# Altium PCB board_layout.pcbdoc (part 2 of 4) (continued)
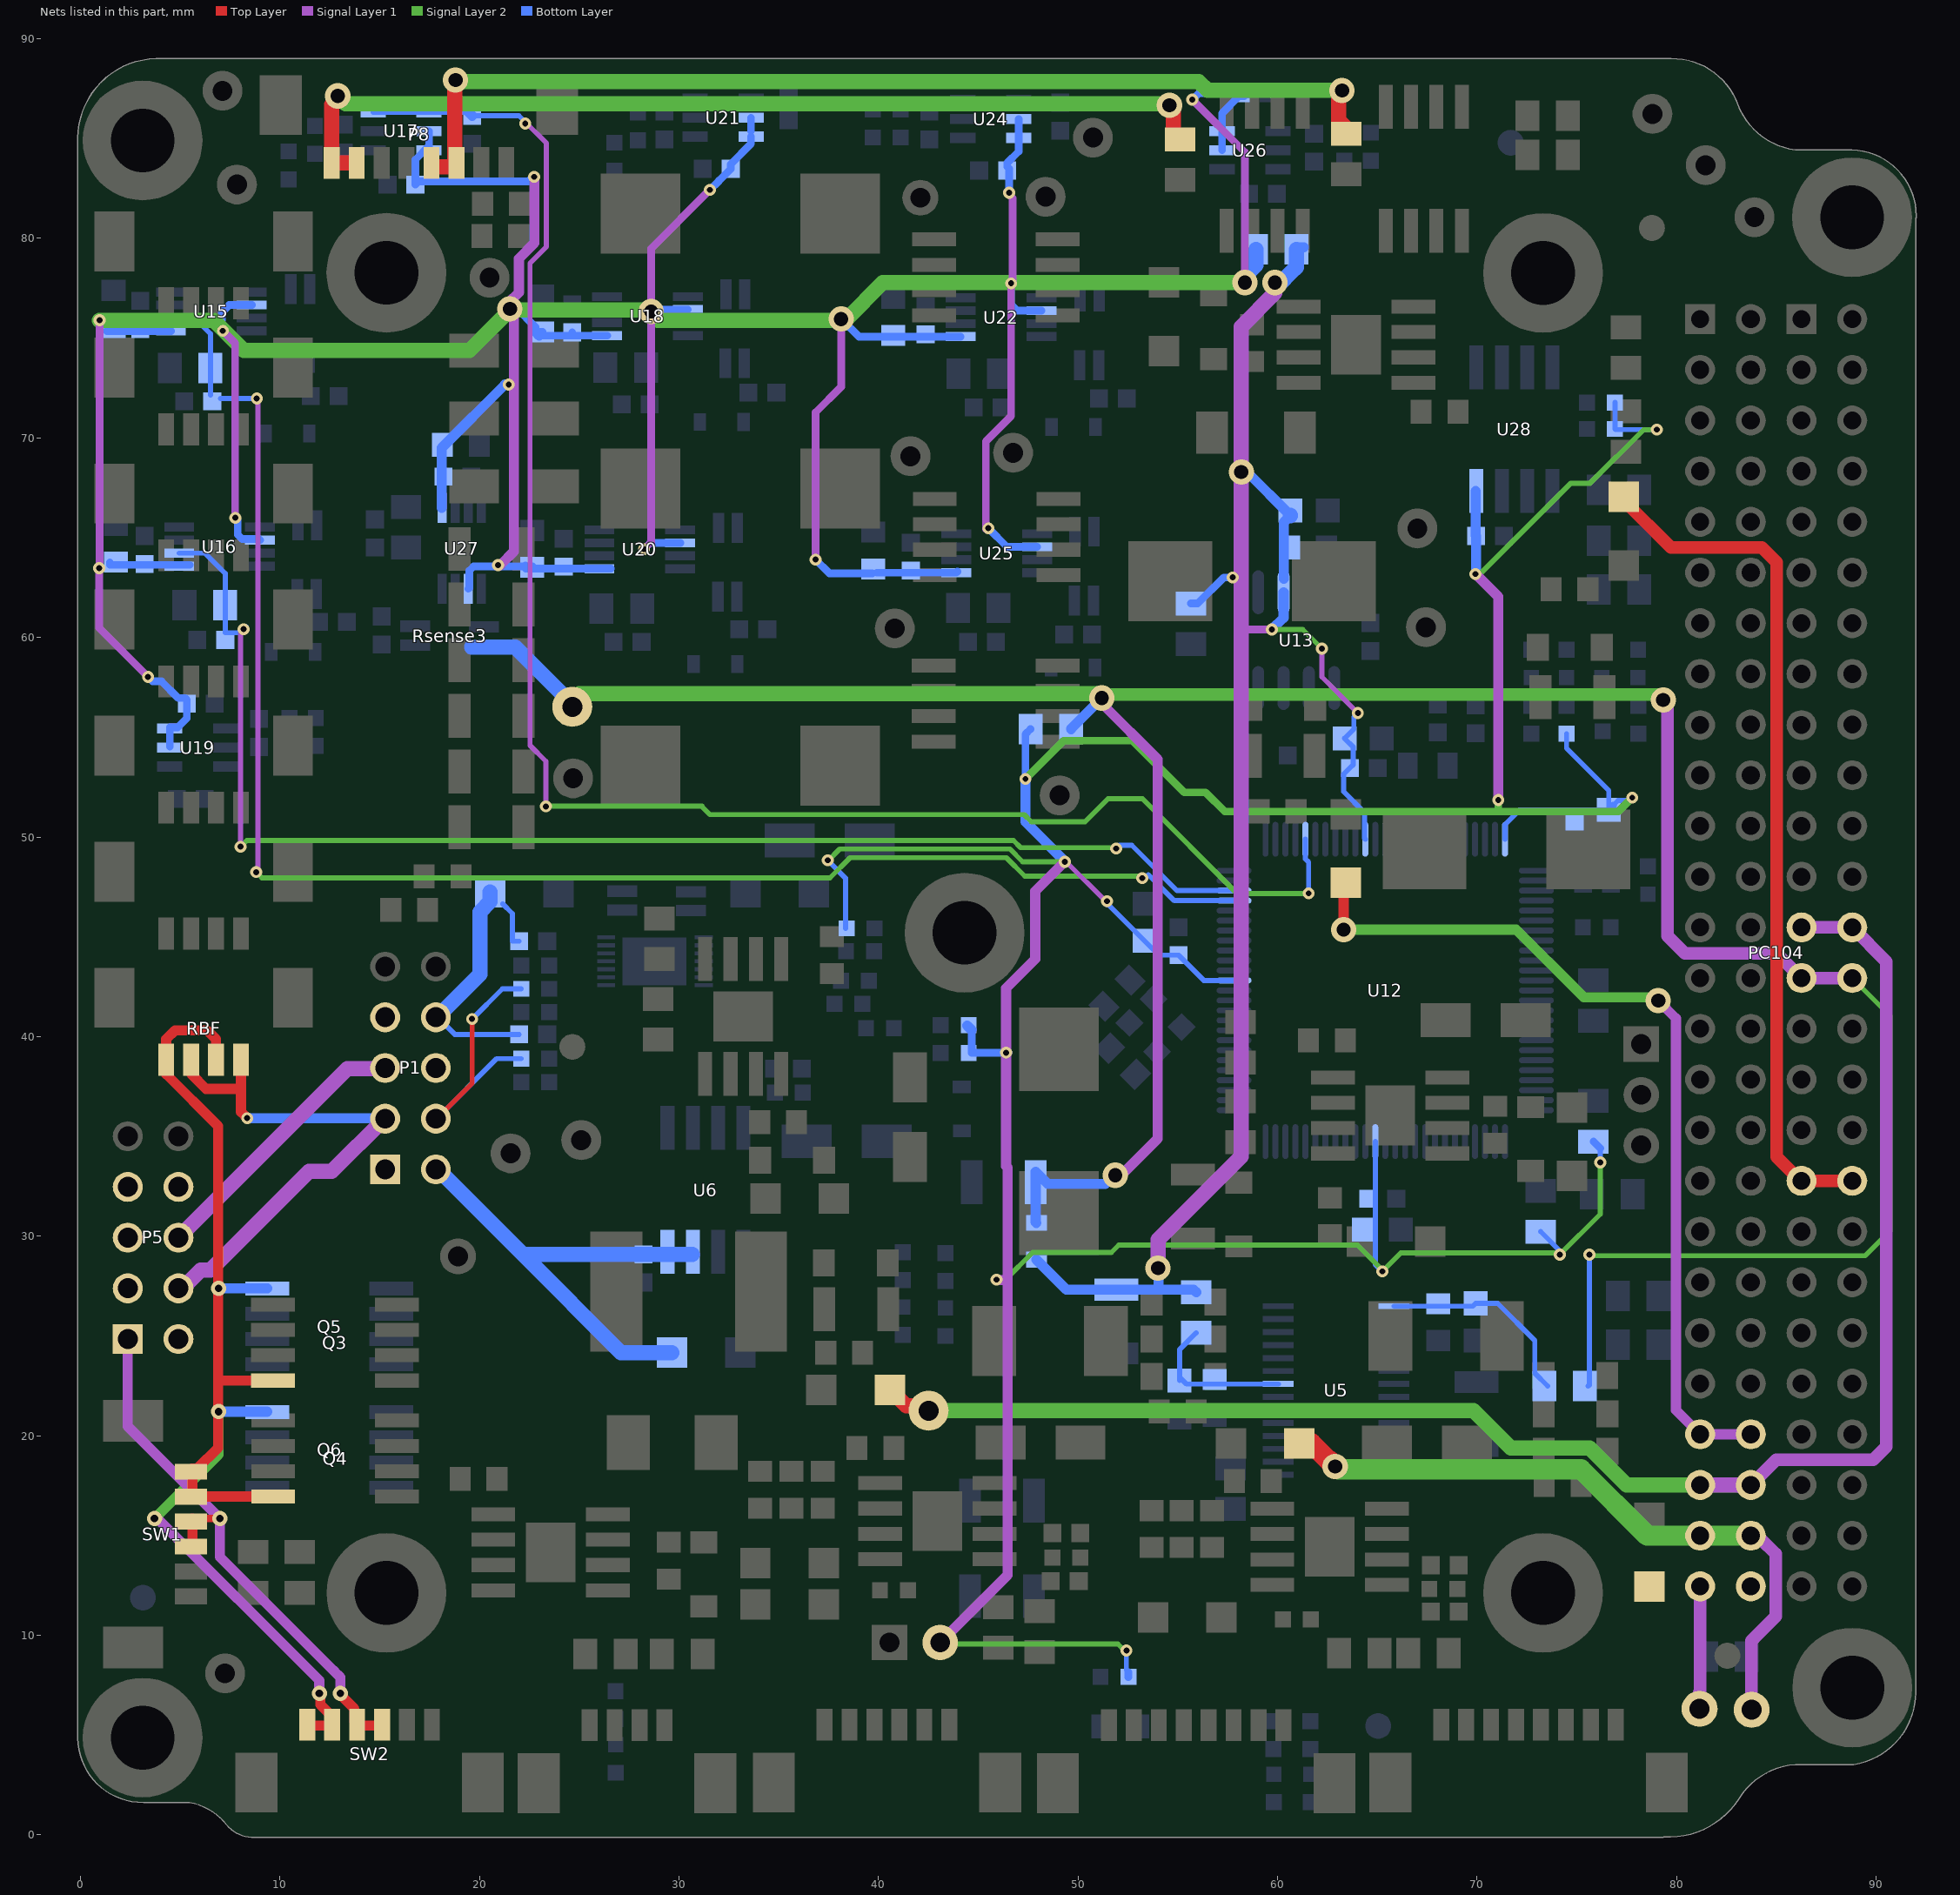
[diagram p4: the nets of this part, all layers, seen from the top]
## Part data (continued)
P3: "PicoBlade 4 Position Right Angle Connector Header Surface Mount  0.049\" (1.25mm)", Color=Natural, Contact Resistance=20mR, Current Rating=1A, Flammability Rating="UL94 V-0", Insulation Resistance=100MR, Manufacturer=Molex, Max Operating Temperature=85°C, Min Operating Temperature=-40°C, Package Quantity=1000, Supplier Part Number 1=538-53398-0471, Voltage Rating=125V, Body Plating=Tin, ComponentLink1Description=http://www.mouser.com/ds/2/276/0533980471_PCB_HEADERS-171069.pdf?src-supplier=Mouser, ComponentLink1URL=http://www.mouser.com/ds/2/276/0533980471_PCB_HEADERS-171069.pdf?src-supplier=Mouser, ComponentLink2Description=http://www.jameco.com/Jameco/Products/ProdDS/1932627.pdf?src-supplier=Jameco, ComponentLink2URL=http://www.jameco.com/Jameco/Products/ProdDS/1932627.pdf?src-supplier=Jameco, ComponentLink3Description=https://www.distrelec.biz/Web/Downloads/46/_e/gf116833-116846_e.pdf?mime=application%2Fpdf&src-supplier=Distrelec, ComponentLink3URL=https://www.distrelec.biz/Web/Downloads/46/_e/gf116833-116846_e.pdf?mime=application%2Fpdf&src-supplier=Distrelec, ComponentLink4Description=http://www.molex.com/webdocs/datasheets/pdf/en-us/0533980471_PCB_HEADERS.pdf?src-supplier=Element14, ComponentLink4URL=http://www.molex.com/webdocs/datasheets/pdf/en-us/0533980471_PCB_HEADERS.pdf?src-supplier=Element14, ComponentLink5Description=http://www.farnell.com/datasheets/1867381.pdf?src-supplier=Element14, ComponentLink5URL=http://www.farnell.com/datasheets/1867381.pdf?src-supplier=Element14, ComponentLink6Description=http://uk.rs-online.com/webdocs/13c4/0900766b813c4500.pdf?src-supplier=RSComponents, ComponentLink6URL=http://uk.rs-online.com/webdocs/13c4/0900766b813c4500.pdf?src-supplier=RSComponents, ComponentLink7Description=http://www.molex.com/webdocs/datasheets/pdf/en-us/0533980471_PCB_HEADERS.pdf?src-supplier=Farnell, ComponentLink7URL=http://www.molex.com/webdocs/datasheets/pdf/en-us/0533980471_PCB_HEADERS.pdf?src-supplier=Farnell, ComponentLink8Description=http://www.farnell.com/datasheets/2697809.pdf?src-supplier=Element14, ComponentLink8URL=http://www.farnell.com/datasheets/2697809.pdf?src-supplier=Element14, ComponentLink9Description=http://www.molex.com/webdocs/datasheets/pdf/en-us/0533980471_PCB_HEADERS.pdf?src-supplier=Avnet, ComponentLink9URL=http://www.molex.com/webdocs/datasheets/pdf/en-us/0533980471_PCB_HEADERS.pdf?src-supplier=Avnet, ComponentLink10Description=http://www.molex.com/webdocs/datasheets/pdf/en-us/0533980471_PCB_HEADERS.pdf?src-supplier=Avnet+Europe, ComponentLink10URL=http://www.molex.com/webdocs/datasheets/pdf/en-us/0533980471_PCB_HEADERS.pdf?src-supplier=Avnet+Europe, Contact Material=Bronze,Tin,Brass, Contact Plating=Tin, Gender=Male, Glow Wire Compliant=Non-compliant, Housing Color=Natural, Housing Material=Nylon, LatestRevisionDate=17-Jul-2002, LatestRevisionNote="Re-released for DXP Platform.", Lead Free="Lead Free", Lead Pitch=1.25mm, Manufacturer Part Number=0532610471, Mount="Surface Mount", Number of Circuits=4, Number of Contacts=4, Number of Positions=4, Number of Rows=1, Orientation=Vertical, Packaging="Tape and Reel", Partnumber=0532610471, Pitch=1.25mm, Pricing 1="1=0.98, 10=0.832, 100=0.716, 500=0.6, 1000=0.391, 2000=0.342 (USD)", Pricing 2="1=1.19, 10=1.044, 100=0.901, 500=0.73716 (USD)", Publisher="Altium Limited", Radiation Hardening=No, REACH SVHC=Unknown, Stock 1=43251, Stock 2=20817, Supplier 1=Mouser, Supplier 2=Digi-Key, Supplier Part Number 2=WM7608CT-ND, Termination=Solder, Voltage Rating (AC)=125V, Voltage Rating (DC)=125V, Working Voltage=125V
P8 RTD1 RTD2: "PicoBlade 8 Position Right Angle Connector Header Surface Mount 0.049\" (1.25mm)", Color=Beige, Contact Resistance=20mR, Current Rating=1A, Flammability Rating="UL94 V-0", Insulation Resistance=100MR, Manufacturer=Molex, Manufacturer Part Number=53261-0871, Max Operating Temperature=85°C, Min Operating Temperature=-40°C, Package Quantity=1000, Supplier Part Number 1=538-53261-0871, Voltage Rating=125V, ComponentLink1Description=http://uk.rs-online.com/webdocs/13c4/0900766b813c44c3.pdf?src-supplier=RSComponents, ComponentLink1URL=http://uk.rs-online.com/webdocs/13c4/0900766b813c44c3.pdf?src-supplier=RSComponents, ComponentLink2Description=http://www.farnell.com/datasheets/1632136.pdf?src-supplier=Element14, ComponentLink2URL=http://www.farnell.com/datasheets/1632136.pdf?src-supplier=Element14, ComponentLink3Description=http://www.farnell.com/datasheets/1862905.pdf?src-supplier=Element14, ComponentLink3URL=http://www.farnell.com/datasheets/1862905.pdf?src-supplier=Element14, ComponentLink4Description=http://www.onlinecomponents.com/productFiles/mf-MOL/0532610871_pcb_headers.pdf?src-supplier=Onlinecomponents.com, ComponentLink4URL=http://www.onlinecomponents.com/productFiles/mf-MOL/0532610871_pcb_headers.pdf?src-supplier=Onlinecomponents.com, ComponentLink5Description=http://www.jameco.com/Jameco/Products/ProdDS/1932580.pdf?src-supplier=Jameco, ComponentLink5URL=http://www.jameco.com/Jameco/Products/ProdDS/1932580.pdf?src-supplier=Jameco, ComponentLink6Description=https://www.distrelec.biz/Web/Downloads/74/_e/gh116861-116874_e.pdf?mime=application%2Fpdf&src-supplier=Distrelec, ComponentLink6URL=https://www.distrelec.biz/Web/Downloads/74/_e/gh116861-116874_e.pdf?mime=application%2Fpdf&src-supplier=Distrelec, ComponentLink7Description=http://www.mouser.com/ds/2/276/0532610871_PCB_HEADERS-171054.pdf?src-supplier=Mouser, ComponentLink7URL=http://www.mouser.com/ds/2/276/0532610871_PCB_HEADERS-171054.pdf?src-supplier=Mouser, ComponentLink8Description=http://www.molex.com/webdocs/datasheets/pdf/en-us/0532610871_PCB_HEADERS.pdf?src-supplier=Avnet+Europe, ComponentLink8URL=http://www.molex.com/webdocs/datasheets/pdf/en-us/0532610871_PCB_HEADERS.pdf?src-supplier=Avnet+Europe, ComponentLink9Description=http://www.farnell.com/datasheets/1841157.pdf?src-supplier=Farnell, ComponentLink9URL=http://www.farnell.com/datasheets/1841157.pdf?src-supplier=Farnell, ComponentLink10Description=http://www.molex.com/webdocs/datasheets/pdf/en-us/0532610871_PCB_HEADERS.pdf?src-supplier=Avnet, ComponentLink10URL=http://www.molex.com/webdocs/datasheets/pdf/en-us/0532610871_PCB_HEADERS.pdf?src-supplier=Avnet, Contact Material=Bronze,Brass,Tin, Contact Plating=Tin, Gender=Male, Glow Wire Compliant=Non-compliant, Housing Material=Thermoplastic, LatestRevisionDate=17-Jul-2002, LatestRevisionNote="Re-released for DXP Platform.", Lead Free="Lead Free", Lead Pitch=1.25mm, Mount="Surface Mount", Number of Circuits=8, Number of Contacts=8, Number of Positions=8, Number of Rows=1, Orientation="Right Angle", Packaging="Tape and Reel", Partnumber=53261-0871, Pitch=1.25mm, Pricing 1="1=1.31, 10=1.15, 100=0.991, 500=0.832, 1000=0.42, 2000=0.367 (USD)", Pricing 2="1=1.64, 10=1.487, 100=1.2749, 500=1.0624 (USD)", Publisher="Altium Limited", Radiation Hardening=No, REACH SVHC=Unknown, Stock 1=13055, Stock 2=24265, Supplier 1=Mouser, Supplier 2=Digi-Key, Supplier Part Number 2=WM7626CT-ND, Termination=Solder, Voltage Rating (AC)=125V, Voltage Rating (DC)=125V, Working Voltage=125V
PC104: Color=Black, Contact Resistance=10mR, Manufacturer=Samtec, Manufacturer Part Number=SSW-126-01-G-D, Max Current Rating=5.5A, Max Operating Temperature=125°C, Max Voltage Rating (AC)=550V, Min Operating Temperature=-55°C, Supplier Part Number 1=200-SSW12601GD, ComponentLink1Description=http://suddendocs.samtec.com/prints/ssw-1xx-xx-xxx-x-xx-xxx-xx-mkt.pdf?src-supplier=Digi-Key, ComponentLink1URL=http://suddendocs.samtec.com/prints/ssw-1xx-xx-xxx-x-xx-xxx-xx-mkt.pdf?src-supplier=Digi-Key, Connector Type=Receptacle,Socket, Contact Material=Bronze, Contact Plating=Gold, Depth=4.95mm, Gender=Receptacle, Housing Color=Black, Housing Material=Polymer, Lead Free="Lead Free", Length=66.55mm, Mating Cycles=100, Mount="Through Hole", Number of Contacts=52, Number of Positions=52, Number of Rows=2, Orientation=Straight, Packaging=Bulk, Partnumber=SSW-126-01-G-D, Pitch=2.54mm, Pricing 1="1=6.95, 10=5.8, 100=4.93, 250=4.4, 500=4.05, 1000=3.8 (USD)", Pricing 2="1=6.69, 10=6.415, 25=5.8576, 50=5.5786, 100=5.2996, 250=4.74176, 500=4.46284 (USD)", REACH SVHC="No SVHC", Row Spacing=0.1inch, Stock 1=86, Stock 2=0, Supplier 1=Mouser, Supplier 2=Digi-Key, Supplier Part Number 2=SAM1208-26-ND, Termination=Solder, Width=4.95mm
Q1 Q2 Q8 Q9 Q10: library part MOSFET-N_30V_SI4166DY, "MOSFET N-Channel 30V Vds 20V Vgs SO-8", Case/Package=SOIC, Continuous Drain Current (ID)=20.5A, Drain to Source Breakdown Voltage=30V, Drain to Source Resistance=4.5mR, Gate to Source Voltage (Vgs)=20V, Input Capacitance=2.73nF, Manufacturer="Vishay Siliconix", Manufacturer Part Number=SI4166DY-T1-GE3, Max Operating Temperature=150°C, Max Power Dissipation=6.5W, Min Operating Temperature=-55°C, On-State Resistance=3.9MR, Package Quantity=1, Power Dissipation=3W, Supplier Part Number 1=781-SI4166DY-T1-GE3, Threshold Voltage=1.2V, ComponentLink1Description=http://www.vishay.com/docs/68953/si4166dy.pdf?src-supplier=Digi-Key, ComponentLink1URL=http://www.vishay.com/docs/68953/si4166dy.pdf?src-supplier=Digi-Key, ComponentLink2Description=http://www.vishay.com/docs/68953/si4166dy.pdf?src-supplier=Future+Electronics, ComponentLink2URL=http://www.vishay.com/docs/68953/si4166dy.pdf?src-supplier=Future+Electronics, ComponentLink3Description=http://www.mouser.com/ds/2/427/si4166dy-244566.pdf?src-supplier=Mouser, ComponentLink3URL=http://www.mouser.com/ds/2/427/si4166dy-244566.pdf?src-supplier=Mouser, Contact Plating=Tin,Matte, Drain to Source Voltage (Vdss)=30V, Fall Time=15ns, Height=1.55mm, LatestRevisionDate=17-Jul-2002, LatestRevisionNote="Re-released for DXP Platform.", Lead Free="Lead Free", Length=5mm, Mount="Surface Mount", Number of Channels=1, Number of Elements=1, Number of Pins=8, PackageDescription="TO, Flat Index; 3 In-Line, Axial Leads; Body Dia. 4.6mm; Lead Dia. 0.5 mm (max)", PackageReference=E3, PackageVersion=1995/1996, Packaging="Tape and Reel", Partnumber=SI4166DY-T1-GE3, Pricing 1="1=1.43, 10=1.21, 100=0.952, 500=0.799, 1000=0.648, 2500=0.648 (USD)", Pricing 2="1=1.39, 10=1.239, 25=1.176, 100=0.882, 250=0.8736, 500=0.7476, 1000=0.609 (USD)", Published=8-Jun-2000, Publisher="Altium Limited", Radiation Hardening=No, Rds On Max=3.9mR, REACH SVHC=Unknown, Rise Time=19ns, Stock 1=3322, Stock 2=1522, Supplier 1=Mouser, Supplier 2=Digi-Key, Supplier Part Number 2=SI4166DY-T1-GE3CT-ND, Turn-Off Delay Time=35ns, Turn-On Delay Time=30ns, Weight=0.006596oz, Width=4mm
Q3 Q4 Q5 Q6: library part "MOSFET-P- SI4403CDY-T1-GE3", "MOSFET 1.8V P-Channel 20 V, 0.0155 ? typ., 13.4 A", Case/Package=SOIC, Continuous Drain Current (ID)=13.4A, Drain to Source Breakdown Voltage=20V, Drain to Source Resistance=15.5mR, Gate to Source Voltage (Vgs)=8V, Input Capacitance=2.38nF, Manufacturer="Vishay Siliconix", Manufacturer Part Number=SI4403CDY-T1-GE3, Max Operating Temperature=150°C, Max Power Dissipation=5W, Min Operating Temperature=-55°C, Package Quantity=2500, Power Dissipation=2.5W, Supplier Part Number 1=78-SI4403CDY-T1-GE3, Threshold Voltage=-400mV, ComponentLink1Description=http://www.vishay.com/docs/71385/lokreel.pdf?src-supplier=Digi-Key, ComponentLink1URL=http://www.vishay.com/docs/71385/lokreel.pdf?src-supplier=Digi-Key, ComponentLink2Description=http://www.vishay.com/docs/67341/si4403cd.pdf?src-supplier=Avnet, ComponentLink2URL=http://www.vishay.com/docs/67341/si4403cd.pdf?src-supplier=Avnet, ComponentLink3Description=http://www.vishay.com/docs/67341/si4403cd.pdf?src-supplier=Avnet+Europe, ComponentLink3URL=http://www.vishay.com/docs/67341/si4403cd.pdf?src-supplier=Avnet+Europe, ComponentLink4Description=http://www.farnell.com/datasheets/1915828.pdf?src-supplier=Element14, ComponentLink4URL=http://www.farnell.com/datasheets/1915828.pdf?src-supplier=Element14, Contact Plating=Tin,Matte, Drain to Source Voltage (Vdss)=20V, Fall Time=41ns, LatestRevisionDate=17-Jul-2002, LatestRevisionNote="Re-released for DXP Platform.", Lead Free="Lead Free", Mount="Surface Mount", Number of Channels=1, Number of Elements=1, Number of Pins=8, On-State Resistance=15.5mR, PackageDescription="TO, Flat Index; 3 In-Line, Axial Leads; Body Dia. 4.6mm; Lead Dia. 0.5 mm (max)", PackageReference=E3, PackageVersion=1995/1996, Packaging="Tape and Reel", Partnumber=SI4403CDY-T1-GE3, Pricing 1="1=0.68, 10=0.606, 100=0.472, 500=0.388, 1000=0.327, 2500=0.289 (USD)", Pricing 2="1=0.75, 10=0.66, 25=0.62, 100=0.45, 250=0.434, 500=0.376, 1000=0.32 (USD)", Published=8-Jun-2000, Publisher="Altium Limited", Radiation Hardening=No, Rds On Max=15.5mR, REACH SVHC="No SVHC", Rise Time=18ns, Stock 1=6738, Stock 2=1673, Supplier 1=Mouser, Supplier 2=Digi-Key, Supplier Part Number 2=SI4403CDY-T1-GE3CT-ND, Turn-Off Delay Time=108ns, Turn-On Delay Time=7ns, Weight=0.01787oz
R1 R8 R18 R23 R31 R34 R37 R39 R40 R43 R53 R58 R60 R61: library part R1.0k_1%_1/8W_0603, "RES 1.0K OHM 1/8W 1% 0603", Case Code (Imperial)=0603, Case Code (Metric)=1608, Manufacturer=Vishay, Manufacturer Part Number=MCT06030C1001FP500, Max Operating Temperature=125°C, Max Power Dissipation=125mW, Min Operating Temperature=-55°C, Package Quantity=1, Power Rating=100mW, Resistance=1kR, Supplier Part Number 1=594-MCT06030C1001FP5, Temperature Coefficient=50ppm/°C, Tolerance=1%, Voltage Rating=75V, Case/Package=0603, ComponentLink1Description=http://www.vishay.com/docs/28705/mcx0x0xpro.pdf?src-supplier=Digi-Key, ComponentLink1URL=http://www.vishay.com/docs/28705/mcx0x0xpro.pdf?src-supplier=Digi-Key, ComponentLink2Description=http://www.vishay.com/docs/28705/mc_pro.pdf?src-supplier=Avnet+Europe, ComponentLink2URL=http://www.vishay.com/docs/28705/mc_pro.pdf?src-supplier=Avnet+Europe, ComponentLink3Description=http://www.vishay.com/docs/28705/mc_pro.pdf?src-supplier=Avnet, ComponentLink3URL=http://www.vishay.com/docs/28705/mc_pro.pdf?src-supplier=Avnet, ComponentLink4Description=http://www.vishay.com/docs/28705/mc_pro.pdf?src-supplier=Future+Electronics, ComponentLink4URL=http://www.vishay.com/docs/28705/mc_pro.pdf?src-supplier=Future+Electronics, Composition="Thin Film", Contact Plating=Tin, Depth=0.85mm, Height=0.022inch, Lead Free="Lead Free", Length=1.55mm, Military Standard=Not, Mount="Surface Mount", NCM=8533.21.20, Number of Terminations=2, Packaging="Tape and Reel", Partnumber=MCT06030C1001FP500, Pricing 1="1=0.1, 1000=0.025, 2000=0.023, 5000=0.019, 10000=0.018, 20000=0.017 (USD)", Pricing 2="1=0.17, 10=0.145, 100=0.0568, 1000=0.02376, 2500=0.02178 (USD)", Radiation Hardening=No, REACH SVHC=Unknown, Stock 1=142157, Stock 2=268907, Supplier 1=Mouser, Supplier 2=Digi-Key, Supplier Part Number 2=MCT0603-1.00K-CFCT-ND, Termination=SMD/SMT, Voltage Rating (DC)=75V, Weight=7.1E-05oz, Width=0.033inch
R2 R3 R9 R10 R15 R16 R20 R21 R46 R47 R50 R51 R55 R56 R93: library part R0R_JUMPER_3/4W_1206, "RES 0.0 OHM 3/4W JUMP 1206", Case Code (Imperial)=1206, Case Code (Metric)=3216, Manufacturer="Stackpole Electronics", Manufacturer Part Number=HCJ1206ZT0R00, Max Operating Temperature=155°C, Min Operating Temperature=-55°C, Package Quantity=5000, Resistance=0mR, Supplier Part Number 1=HCJ1206ZT0R00CT-ND, Case/Package=1206, ComponentLink1Description=http://www.seielect.com/Catalog/SEI-HCJ.pdf?src-supplier=Avnet, ComponentLink1URL=http://www.seielect.com/Catalog/SEI-HCJ.pdf?src-supplier=Avnet, ComponentLink2Description=https://www.seielect.com/Catalog/SEI-HCJ.pdf?src-supplier=Avnet+Asia, ComponentLink2URL=https://www.seielect.com/Catalog/SEI-HCJ.pdf?src-supplier=Avnet+Asia, ComponentLink3Description=https://www.seielect.com/catalog/SEI-HCJ.pdf?src-supplier=Digi-Key, ComponentLink3URL=https://www.seielect.com/catalog/SEI-HCJ.pdf?src-supplier=Digi-Key, ComponentLink4Description=https://www.seielect.com/catalog/SEI-Packaging.pdf?src-supplier=Digi-Key, ComponentLink4URL=https://www.seielect.com/catalog/SEI-Packaging.pdf?src-supplier=Digi-Key, Features="Automotive AEC-Q200", Fitted="No (jumper resistor)", Height=0.026inch, Length=0.122inch, Mount="Surface Mount", Number of Terminations=2, Packaging="Tape and Reel", Partnumber=HCJ1206ZT0R00, Pricing 1="1=0.5, 10=0.358, 25=0.2788, 50=0.236, 100=0.1859, 250=0.15732, 500=0.1287, 1000=0.1001 (USD)", Radiation Hardening=No, Stock 1=1958428, Supplier 1=Digi-Key, Termination=Wraparound, Width=0.061inch
R4: library part R75k_1%_1/8W_0805_1, "RES 75k OHM 1/8W 1% 0805", Case/Package=0805, Case Code (Metric)=2012, Manufacturer=Panasonic, Manufacturer Part Number=RMCF0805FT75K0, Max Operating Temperature=155°C, Max Power Dissipation=125mW, Min Operating Temperature=-55°C, Package Quantity=1, Resistance=75kR, Temperature Coefficient=100ppm/°C, Tolerance=1%, Voltage Rating=150V, Case Code (Imperial)=0805, ComponentLink1Description=Digikey, ComponentLink1URL=https://www.digikey.com/product-detail/en/stackpole-electronics-inc/RMCF0805FT75K0/RMCF0805FT75K0CT-ND/1942483, Composition="Thick Film", Contact Plating=Tin, Depth=1.25mm, Features="Automotive AEC-Q200", Height=0.028inch, Height - Seated (Max)=0.028inch, Lead Free="Lead Free", Length=2mm, Military Standard=Not, Mount="Surface Mount", NCM=8533.21.20, Number of Terminations=2, Packaging="Tape and Reel", Partnumber=RMCF0805FT75K0, Power Rating=125mW, Pricing 1="1=0.1, 10=0.072, 100=0.028, 1000=0.02, 5000=0.018, 10000=0.016 (USD)", Pricing 2="1=0.1, 10=0.072, 100=0.0275, 1000=0.0121, 2500=0.01045 (USD)", Radiation Hardening=No, REACH SVHC="No SVHC", Stock 1=48520, Stock 2=93748, Supplier 2=Digi-Key, Supplier Part Number 2=RMCF0805FT75K0CT-ND, Termination=SMD/SMT, Voltage Rating (DC)=150V, Width=0.049inch
R5 R12: library part R19.6k_1%_1/10W_0603, "RES 19.6k OHM 1/10W 1% 0603", Case Code (Imperial)=0603, Case Code (Metric)=1608, Case/Package=Molded, Manufacturer=Panasonic, Manufacturer Part Number=ERJ-3EKF1962V, Max Operating Temperature=155°C, Min Operating Temperature=-55°C, Power Rating=100mW, Resistance=19.6kR, Supplier Part Number 1=667-ERJ-3EKF1962V, Temperature Coefficient=100ppm/°C, Tolerance=1%, Voltage Rating=75V, Voltage Rating (DC)=50V, ComponentLink1Description=http://www.farnell.com/datasheets/1911175.pdf?src-supplier=Farnell, ComponentLink1URL=http://www.farnell.com/datasheets/1911175.pdf?src-supplier=Farnell, Composition="Thick Film", Contact Plating=Tin, Depth=0.8mm, Lead Free="Lead Free", Length=1.6mm, Military Standard=Not, Mount="Surface Mount", NCM=8533.21.20, Packaging="Cut Tape", Partnumber=ERJ-3EKF1962V, Pricing 1="1=0.1, 10=0.057, 100=0.023, 1000=0.009, 5000=0.006, 10000=0.005 (USD)", Pricing 2="1=0.1, 10=0.057, 100=0.0234, 1000=0.01049, 2500=0.00911 (USD)", REACH SVHC="No SVHC", Stock 1=90673, Stock 2=62362, Supplier 1=Mouser, Supplier 2=Digi-Key, Supplier Part Number 2=P19.6KHCT-ND, Width=800um
R6 R13: library part R11.5k_1%_1/8W_0805, "RES 11.5k OHM 1/8W 1% 0805", Case/Package=0805, Manufacturer=Yageo, Manufacturer Part Number=AC0805FR-0711K5L, Resistance=11.5kR, Supplier Part Number 1=603-AC0805FR-0711K5L, Tolerance=1%, NCM=8533.21.20, Partnumber=AC0805FR-0711K5L, Pricing 1="1=0.16, 10=0.037, 100=0.013, 1000=0.01, 5000=0.006, 10000=0.006 (USD)", Stock 1=26753, Supplier 1=Mouser
R7 R14: library part R140k_1%_1/5W_0603, "RES 140k OHM 1/5W 1% 0603", Case Code (Imperial)=0603, Case Code (Metric)=1608, Manufacturer=Panasonic, Manufacturer Part Number=ERJ-P03F1403V, Max Operating Temperature=155°C, Min Operating Temperature=-55°C, Package Quantity=5000, Power Rating=200mW, Resistance=140kR, Supplier Part Number 1=667-ERJ-P03F1403V, Temperature Coefficient=200ppm/°C, Tolerance=1%, Voltage Rating=150V, Case/Package=0603, ComponentLink1Description=http://www.farnell.com/datasheets/2059624.pdf?src-supplier=Farnell, ComponentLink1URL=http://www.farnell.com/datasheets/2059624.pdf?src-supplier=Farnell, ComponentLink2Description=http://www.farnell.com/datasheets/1801181.pdf?src-supplier=Element14, ComponentLink2URL=http://www.farnell.com/datasheets/1801181.pdf?src-supplier=Element14, ComponentLink3Description=https://www.distrelec.biz/Web/Downloads/_t/ds/ERJP-series_eng_tds.pdf?mime=application%2Fpdf&src-supplier=Distrelec, ComponentLink3URL=https://www.distrelec.biz/Web/Downloads/_t/ds/ERJP-series_eng_tds.pdf?mime=application%2Fpdf&src-supplier=Distrelec, Composition="Thick Film", Height=0.45mm, Length=1.6mm, Mount="Surface Mount", NCM=8533.21.20, Packaging="Tape and Reel", Partnumber=ERJ-P03F1403V, Pricing 1="1=0.58, 10=0.231, 100=0.098, 1000=0.071, 5000=0.04, 10000=0.04 (USD)", Pricing 2="5000=0.03863 (USD)", REACH SVHC="No SVHC", Stock 1=4562, Stock 2=0, Supplier 1=Mouser, Supplier 2=Digi-Key, Supplier Part Number 2=ERJ-P03F1403V-ND, Termination=SMD/SMT, Voltage Rating (DC)=150V, Weight=7.1E-05oz, Width=0.8mm
R11: library part R60.4k_1%_1/8W_0805, "RES 60.4k OHM 1/8W 1% 0805", Case Code (Imperial)=0805, Case Code (Metric)=2012, Manufacturer=Panasonic, Manufacturer Part Number=ERJ-6ENF6042V, Max Operating Temperature=155°C, Max Power Dissipation=125mW, Min Operating Temperature=-55°C, Package Quantity=1, Resistance=60.4kR, Supplier Part Number 1=667-ERJ-6ENF6042V, Temperature Coefficient=100ppm/°C, Tolerance=1%, Voltage Rating=150V, Case/Package=0805, ComponentLink1Description=http://www.farnell.com/datasheets/426256.pdf?src-supplier=Farnell, ComponentLink1URL=http://www.farnell.com/datasheets/426256.pdf?src-supplier=Farnell, ComponentLink2Description=http://www.farnell.com/datasheets/426256.pdf?src-supplier=Element14, ComponentLink2URL=http://www.farnell.com/datasheets/426256.pdf?src-supplier=Element14, ComponentLink3Description=http://www.farnell.com/datasheets/1678782.pdf?src-supplier=Element14, ComponentLink3URL=http://www.farnell.com/datasheets/1678782.pdf?src-supplier=Element14, ComponentLink4Description=http://industrial.panasonic.com/www-data/pdf/AOA0000/AOA0000CE2.pdf?src-supplier=Avnet, ComponentLink4URL=http://industrial.panasonic.com/www-data/pdf/AOA0000/AOA0000CE2.pdf?src-supplier=Avnet, ComponentLink5Description=https://www.alliedelec.com/m/d/623f45ff1957d936ff56d46fd1c28cac.pdf?src-supplier=Allied+Electronics, ComponentLink5URL=https://www.alliedelec.com/m/d/623f45ff1957d936ff56d46fd1c28cac.pdf?src-supplier=Allied+Electronics, Composition="Thick Film", Contact Plating=Tin, Depth=1.25mm, Features="Automotive AEC-Q200", Height=0.028inch, Height - Seated (Max)=0.028inch, Lead Free="Lead Free", Length=2mm, Military Standard=Not, Mount="Surface Mount", NCM=8533.21.20, Number of Terminations=2, Packaging="Tape and Reel", Partnumber=ERJ-6ENF6042V, Power Rating=125mW, Pricing 1="1=0.1, 10=0.072, 100=0.028, 1000=0.02, 5000=0.018, 10000=0.016 (USD)", Pricing 2="1=0.1, 10=0.072, 100=0.0275, 1000=0.0121, 2500=0.01045 (USD)", Radiation Hardening=No, REACH SVHC="No SVHC", Stock 1=48520, Stock 2=93748, Supplier 1=Mouser, Supplier 2=Digi-Key, Supplier Part Number 2=P60.4KCCT-ND, Termination=SMD/SMT, Voltage Rating (DC)=150V, Width=0.049inch
R17 R22 R52 R57: library part R10k_1%_1/8W_0805, "RES 10K OHM 1/8W 1%  0805", Case Code (Imperial)=0805, Case Code (Metric)=2012, Manufacturer=Vishay, Manufacturer Part Number=CRCW080510K0FKEA, Max Operating Temperature=155°C, Min Operating Temperature=-55°C, Package Quantity=5000, Power Rating=125mW, Resistance=10kR, Supplier Part Number 1=71-CRCW0805-10K-E3, Temperature Coefficient=100ppm/°C, Tolerance=1%, Voltage Rating=150V, Case/Package=0805, ComponentLink1Description=http://www.mouser.com/ds/2/427/dcrcwe3-109170.pdf?src-supplier=Mouser, ComponentLink1URL=http://www.mouser.com/ds/2/427/dcrcwe3-109170.pdf?src-supplier=Mouser, ComponentLink2Description=http://uk.rs-online.com/webdocs/0d98/0900766b80d98b26.pdf?src-supplier=RSComponents, ComponentLink2URL=http://uk.rs-online.com/webdocs/0d98/0900766b80d98b26.pdf?src-supplier=RSComponents, ComponentLink3Description=http://www.alliedelec.com/m/d/0c934d6939ccefa68dbe0b96d821c8cf.pdf?src-supplier=Allied+Electronics, ComponentLink3URL=http://www.alliedelec.com/m/d/0c934d6939ccefa68dbe0b96d821c8cf.pdf?src-supplier=Allied+Electronics, ComponentLink4Description=http://www.vishay.com/docs/20035/dcrcwe3.pdf?src-supplier=Avnet+Asia, ComponentLink4URL=http://www.vishay.com/docs/20035/dcrcwe3.pdf?src-supplier=Avnet+Asia, ComponentLink5Description=http://www.vishay.com/docs/20035/dcrcwe3.pdf?src-supplier=Avnet+Europe, ComponentLink5URL=http://www.vishay.com/docs/20035/dcrcwe3.pdf?src-supplier=Avnet+Europe, ComponentLink6Description=http://www.farnell.com/datasheets/2310790.pdf?src-supplier=Element14, ComponentLink6URL=http://www.farnell.com/datasheets/2310790.pdf?src-supplier=Element14, ComponentLink7Description=http://www.vishay.com/docs/20035/dcrcwe3.pdf?src-supplier=Avnet, ComponentLink7URL=http://www.vishay.com/docs/20035/dcrcwe3.pdf?src-supplier=Avnet, ComponentLink8Description=http://www.vishay.com/docs/20035/dcrcwe3.pdf?src-supplier=Future+Electronics, ComponentLink8URL=http://www.vishay.com/docs/20035/dcrcwe3.pdf?src-supplier=Future+Electronics, Composition="Thick Film", Contact Plating=Tin, Depth=1.25mm, Height=0.45mm, Lead Free="Lead Free", Length=2mm, Military Standard=Not, NCM=8533.21.20, Packaging="Tape and Reel", Partnumber=CRCW080510K0FKEA, Pricing 1="1=0.1, 10=0.062, 100=0.025, 1000=0.01, 5000=0.007, 10000=0.006 (USD)", Pricing 2="1=0.1, 10=0.062, 100=0.0254, 1000=0.01142, 2500=0.00991 (USD)", Radiation Hardening=No, REACH SVHC=Unknown, Stock 1=1328419, Stock 2=975000, Supplier 1=Mouser, Supplier 2=Digi-Key, Supplier Part Number 2=541-10.0KCDKR-ND, Termination=SMD/SMT, Voltage Rating (DC)=150V, Weight=0.000194oz, Width=1.25mm
R19 R24 R54: library part R5.9K_1%_1/8W_0805, "RES 5K9 OHM 1/8W 1% 0805", Case Code (Imperial)=0805, Case Code (Metric)=2012, Manufacturer=Vishay, Manufacturer Part Number=CRCW08055K90FKEA, Max Operating Temperature=155°C, Max Power Dissipation=125mW, Min Operating Temperature=-55°C, Package Quantity=10, Partnumber=71-CRCW0805-5.9K-E3, Resistance=5.9kR, Temperature Coefficient=100ppm/°C, Tolerance=1%, Voltage Rating=150V, Case/Package=0805, ComponentLink1Description=http://www.mouser.com/ds/2/427/dcrcwe3-109170.pdf?src-supplier=Mouser, ComponentLink1URL=http://www.mouser.com/ds/2/427/dcrcwe3-109170.pdf?src-supplier=Mouser, ComponentLink2Description=http://uk.rs-online.com/webdocs/0d98/0900766b80d98b26.pdf?src-supplier=RSComponents, ComponentLink2URL=http://uk.rs-online.com/webdocs/0d98/0900766b80d98b26.pdf?src-supplier=RSComponents, ComponentLink3Description=http://www.farnell.com/datasheets/2310790.pdf?src-supplier=Element14, ComponentLink3URL=http://www.farnell.com/datasheets/2310790.pdf?src-supplier=Element14, ComponentLink4Description=http://www.vishay.com/docs/20035/dcrcwe3.pdf?src-supplier=Digi-Key, ComponentLink4URL=http://www.vishay.com/docs/20035/dcrcwe3.pdf?src-supplier=Digi-Key, ComponentLink5Description=http://www.vishay.com/docs/20035/dcrcwe3.pdf?src-supplier=Avnet, ComponentLink5URL=http://www.vishay.com/docs/20035/dcrcwe3.pdf?src-supplier=Avnet, ComponentLink6Description=http://www.vishay.com/docs/20035/dcrcwe3.pdf?src-supplier=Avnet+Europe, ComponentLink6URL=http://www.vishay.com/docs/20035/dcrcwe3.pdf?src-supplier=Avnet+Europe, ComponentLink7Description=http://www.farnell.com/datasheets/1697337.pdf?src-supplier=Element14, ComponentLink7URL=http://www.farnell.com/datasheets/1697337.pdf?src-supplier=Element14, Composition="Thick Film", Contact Plating=Tin, Depth=1.25mm, Features="Automotive AEC-Q200", Height=0.45mm, Length=2mm, Military Standard=Not, NCM=8533.21.20, Number of Pins=2, Number of Terminations=2, Packaging="Tape and Reel", Power Rating=125mW, Pricing 1="1=0.1, 10=0.062, 100=0.025, 1000=0.01, 5000=0.007, 10000=0.006 (USD)", Pricing 2="1=0.1, 10=0.062, 100=0.0254, 1000=0.01142, 2500=0.00991 (USD)", Radiation Hardening=No, REACH SVHC=Unknown, Stock 1=29325, Stock 2=19246, Supplier 1=Mouser, Supplier 2=Digi-Key, Supplier Part Number 1=71-CRCW0805-5.9K-E3, Supplier Part Number 2=541-5.90KCCT-ND, Termination=SMD/SMT, Weight=0.000194oz, Width=1.25mm, Working Voltage=150V
R25 R26: library part R1.0k_1%_1/8W_0805, "RES SMD 1K OHM 1% 1/8W 0805", Case/Package=0805, Manufacturer=Panasonic, Manufacturer Part Number=ERJ-6ENF1001V, Max Operating Temperature=155°C, Min Operating Temperature=-55°C, Power Rating=125mW, Resistance=1kR, Supplier Part Number 1=667-ERJ-6ENF1001V, Temperature Coefficient=100ppm/°C, Tolerance=1%, Voltage Rating (DC)=150V, Depth=1.25mm, Height=0.6mm, Lead Free="Lead Free", Length=2mm, Mount="Surface Mount", Number of Pins=2, Number of Terminations=2, Packaging="Cut Tape", Pricing 1="1=0.13, 10=0.072, 100=0.028, 1000=0.019, 5000=0.018, 10000=0.018 (USD)", Pricing 2="1=0.1, 10=0.072, 100=0.0275, 1000=0.0121, 2500=0.01045 (USD)", REACH SVHC="No SVHC", Stock 1=604781, Stock 2=447460, Supplier 1=Mouser, Supplier 2=Digi-Key, Supplier Part Number 2=P1.00KCCT-ND, Width=1.25mm, Working Voltage=150V
R27: library part R1.65K_1%_1/10W_0805, "RES 1.65K OHM 1/10W 0.1% 0805", Case Code (Imperial)=0805, Case Code (Metric)=2012, Manufacturer="TT Welwyn", Manufacturer Part Number=PCF0805R-1K65BT1, Max Operating Temperature=125°C, Max Power Dissipation=100mW, Min Operating Temperature=-55°C, Package Quantity=1000, Resistance=1.65kR, Supplier Part Number 1=756-PCF0805R-1K65BT1, Temperature Coefficient=25ppm/°C, Tolerance=0.1%, Voltage Rating=100V, Case/Package=0805, ComponentLink1Description=http://www.ttelectronicsresistors.com/datasheets/pcf.pdf?src-supplier=Digi-Key, ComponentLink1URL=http://www.ttelectronicsresistors.com/datasheets/pcf.pdf?src-supplier=Digi-Key, ComponentLink2Description=http://www.mouser.com/ds/2/414/PCF-437472.pdf?src-supplier=Mouser, ComponentLink2URL=http://www.mouser.com/ds/2/414/PCF-437472.pdf?src-supplier=Mouser, Composition="Metal Film", Depth=1.25mm, Height=0.026inch, Length=2mm, Military Standard=Not, NCM=8533.21.20, Number of Terminations=2, Packaging="Tape and Reel", Partnumber=PCF0805R-1K65BT1, Power Rating=100mW, Pricing 2="1=0.61, 10=0.471, 25=0.358 (USD)", Stock 1=0, Stock 2=42, Supplier 1=Mouser, Supplier 2=Digi-Key, Supplier Part Number 2=985-1304-1-ND, Width=0.049inch
R29 R41 R49 R68 R75 R78: library part R0.02R_0.5%_0.5W_1206, "Current Sense Resistors - SMD 0.02ohm .5% 4 Terminal", Case/Package=1206, Case Code (Metric)=3216, Manufacturer=Ohmite, Manufacturer Part Number=LVK12R020DER, Max Operating Temperature=125°C, Max Power Dissipation=500mW, Min Operating Temperature=-40°C, Package Quantity=1, Resistance=50mR, Supplier Part Number 1=588-LVK12R050DER, Temperature Coefficient=50ppm/°C, Tolerance=0.5%, Case Code (Imperial)=1206, ComponentLink1Description=http://www.ohmite.com/assets/docs/res_lvk.pdf?r=false&src-supplier=Digi-Key, ComponentLink1URL=http://www.ohmite.com/assets/docs/res_lvk.pdf?r=false&src-supplier=Digi-Key, ComponentLink2Description=http://www.farnell.com/datasheets/2553343.pdf?src-supplier=Element14, ComponentLink2URL=http://www.farnell.com/datasheets/2553343.pdf?src-supplier=Element14, ComponentLink3Description=http://www.ohmite.com/catalog/pdf/lvk.pdf?src-supplier=Element14, ComponentLink3URL=http://www.ohmite.com/catalog/pdf/lvk.pdf?src-supplier=Element14, ComponentLink4Description=https://www.alliedelec.com/m/d/8bcba2f42146915c5c22f667886779d2.pdf?src-supplier=Allied+Electronics, ComponentLink4URL=https://www.alliedelec.com/m/d/8bcba2f42146915c5c22f667886779d2.pdf?src-supplier=Allied+Electronics, Composition="Thick Film,Metal Film,Thin Film", Depth=1.6mm, Features="Moisture Resistant", Height=0.5mm, Length=3.2mm, Mount="Surface Mount", NCM=8533.21.20, Number of Terminations=4, Packaging="Tape and Reel", Partnumber=LVK12R020DER, Power Rating=500mW, Pricing 1="1=0.85, 10=0.784, 25=0.604, 100=0.531, 250=0.46, 500=0.385 (USD)", Pricing 2="1=0.89, 10=0.784, 25=0.7212, 50=0.6578, 100=0.5693, 250=0.48072, 500=0.4048, 1000=0.34408 (USD)", REACH SVHC=Unknown, Stock 1=13324, Stock 2=3607, Supplier 1=Mouser, Supplier 2=Digi-Key, Supplier Part Number 2=LVK12R050DERCT-ND, Termination=SMD/SMT, Width=0.063inch
R30 R48 R67 R72 R77 R79: library part R3.3k_0.1%_1/10W_0805, "RES SMD 3.3K OHM 0.1% 1/10W 0805", Case/Package=0805, Case Code (Metric)=2012, Manufacturer="TE Connectivity Neohm", Manufacturer Part Number=CPF0805B3K3E1, Max Operating Temperature=155°C, Min Operating Temperature=-55°C, Number of Resistors=1, Package Quantity=1000, Power Rating=100mW, Resistance=3.3kR, Supplier Part Number 1=279-CPF0805B3K3E1, Temperature Coefficient=25ppm/°C, Tolerance=0.1%, Voltage Rating=100V, Voltage Rating (DC)=200V, Case Code (Imperial)=0805, ComponentLink1Description=http://www.farnell.com/datasheets/1786775.pdf?src-supplier=Element14, ComponentLink1URL=http://www.farnell.com/datasheets/1786775.pdf?src-supplier=Element14, Composition="Thin Film", ELV=Compliant, Height=0.55mm, Length=2mm, Mount="Surface Mount", Number of Terminations=2, Packaging="Tape and Reel", Pricing 1="1=0.67, 10=0.485, 100=0.252, 1000=0.135, 2000=0.117, 10000=0.114 (USD)", Pricing 2="1=0.65, 10=0.463, 100=0.2408 (USD)", REACH SVHC="No SVHC", Stock 1=1306, Stock 2=1176, Supplier 1=Mouser, Supplier 2=Digi-Key, Supplier Part Number 2=A102339CT-ND, Termination=Solder, Weight=0.000194oz, Width=1.25mm
R33 R42 R44: library part R150R_1%_1/10W_0603, "RES 150R OHM 1/10W 1% 0603", Case Code (Imperial)=0603, Case Code (Metric)=1608, Manufacturer=Vishay, Manufacturer Part Number=CRCW0603150RFKEA, Max Operating Temperature=155°C, Max Power Dissipation=100mW, Min Operating Temperature=-55°C, Package Quantity=10, Supplier Part Number 1=71-CRCW0603-150-E3, Temperature Coefficient=100ppm/°C, Tolerance=1%, Voltage Rating=75V, Case/Package=0603, ComponentLink1Description=http://www.vishay.com/docs/20035/dcrcwe3.pdf?src-supplier=Digi-Key, ComponentLink1URL=http://www.vishay.com/docs/20035/dcrcwe3.pdf?src-supplier=Digi-Key, ComponentLink2Description=http://www.mouser.com/ds/2/427/dcrcwe3-109170.pdf?src-supplier=Mouser, ComponentLink2URL=http://www.mouser.com/ds/2/427/dcrcwe3-109170.pdf?src-supplier=Mouser, ComponentLink3Description=http://uk.rs-online.com/webdocs/0d98/0900766b80d98afc.pdf?src-supplier=RSComponents, ComponentLink3URL=http://uk.rs-online.com/webdocs/0d98/0900766b80d98afc.pdf?src-supplier=RSComponents, ComponentLink4Description=http://www.vishay.com/docs/20035/dcrcwe3.pdf?src-supplier=Avnet+Europe, ComponentLink4URL=http://www.vishay.com/docs/20035/dcrcwe3.pdf?src-supplier=Avnet+Europe, ComponentLink5Description=https://www.distrelec.biz/Web/Downloads/a_/en/flD-CRCW-e3_data_en.pdf?mime=application%2Fpdf&src-supplier=Distrelec, ComponentLink5URL=https://www.distrelec.biz/Web/Downloads/a_/en/flD-CRCW-e3_data_en.pdf?mime=application%2Fpdf&src-supplier=Distrelec, ComponentLink6Description=http://www.farnell.com/datasheets/2310790.pdf?src-supplier=Element14, ComponentLink6URL=http://www.farnell.com/datasheets/2310790.pdf?src-supplier=Element14, ComponentLink7Description=https://www.alliedelec.com/m/d/0c934d6939ccefa68dbe0b96d821c8cf.pdf?src-supplier=Allied+Electronics, ComponentLink7URL=https://www.alliedelec.com/m/d/0c934d6939ccefa68dbe0b96d821c8cf.pdf?src-supplier=Allied+Electronics, ComponentLink8Description=http://www.vishay.com/docs/20035/dcrcwe3.pdf?src-supplier=Avnet, ComponentLink8URL=http://www.vishay.com/docs/20035/dcrcwe3.pdf?src-supplier=Avnet, Composition="Thick Film", Contact Plating=Tin, Depth=0.85mm, Features="Automotive AEC-Q200", Height=0.45mm, Lead Free="Lead Free", Length=1.55mm, Military Standard=Not, Mount="Surface Mount", NCM=8533.21.20, Number of Terminations=2, Packaging="Tape and Reel", Partnumber=CRCW0603150RFKEA, Power Rating=100mW, Pricing 1="1=0.1, 10=0.037, 100=0.034, 500=0.015, 1000=0.006, 2500=0.005 (USD)", Pricing 2="1=0.1, 10=0.034, 100=0.0139, 1000=0.00623, 2500=0.0054 (USD)", Radiation Hardening=No, REACH SVHC=Unknown, Resistance=150R, Stock 1=109151, Stock 2=5196, Supplier 1=Mouser, Supplier 2=Digi-Key, Supplier Part Number 2=541-150HCT-ND, Termination=SMD/SMT, Voltage Rating (DC)=75V, Weight=7.1E-05oz, Width=0.033inch
R35 R85: library part R100k_0.1%_1/10W_0805, "RES 100K OHM 1/10W 0.1% 0805", Case Code (Imperial)=0805, Case Code (Metric)=2012, Manufacturer="TE Connectivity", Manufacturer Part Number=CPF-A-0805B100KE, Max Operating Temperature=155°C, Max Power Dissipation=100mW, Min Operating Temperature=-55°C, Resistance=100kR, Supplier Part Number 1=1712-CPF-A-0805B100KECT-ND, Temperature Coefficient=25ppm/°C, Tolerance=0.1%, Case/Package=0805, ComponentLink1Description=https://www.te.com/commerce/DocumentDelivery/DDEController?Action=srchrtrv&amp;DocNm=1773200-1&amp;DocType=DS&amp;DocLang=English&src-supplier=Digi-Key, ComponentLink1URL=https://www.te.com/commerce/DocumentDelivery/DDEController?Action=srchrtrv&amp;DocNm=1773200-1&amp;DocType=DS&amp;DocLang=English&src-supplier=Digi-Key, Composition="Thin Film", Features="Moisture Resistant,Automotive AEC-Q200,Anti-Sulfur", NCM=8533.21.20, Number of Terminations=2, Packaging="Tape and Reel", Partnumber=CPF-A-0805B100KE, Pricing 1="1=0.57, 10=0.405, 100=0.2107, 1000=0.11343, 2500=0.11019 (USD)", Stock 1=2170, Supplier 1=Digi-Key
R36: library part R4.02k_0.1%_1/8W_0805, "RES 4.02k OHM 1/8W 0.1% 0805", Case Code (Imperial)=0805, Case Code (Metric)=2012, Manufacturer=Panasonic, Manufacturer Part Number=ERA-6AEB4021V, Max Operating Temperature=155°C, Max Power Dissipation=125mW, Min Operating Temperature=-55°C, Package Quantity=5000, Resistance=4.02kR, Supplier Part Number 1=667-ERA-6AEB4021V, Temperature Coefficient=25ppm/°C, Tolerance=0.1%, Voltage Rating=100V, Case/Package=0805, ComponentLink1Description=http://www.farnell.com/datasheets/485442.pdf?src-supplier=Farnell, ComponentLink1URL=http://www.farnell.com/datasheets/485442.pdf?src-supplier=Farnell, ComponentLink2Description=http://www.farnell.com/datasheets/485442.pdf?src-supplier=Element14, ComponentLink2URL=http://www.farnell.com/datasheets/485442.pdf?src-supplier=Element14, ComponentLink3Description=http://www.mouser.com/ds/2/315/AOA0000C237-1100991.pdf?src-supplier=Mouser, ComponentLink3URL=http://www.mouser.com/ds/2/315/AOA0000C237-1100991.pdf?src-supplier=Mouser, ComponentLink4Description=http://industrial.panasonic.com/www-data/pdf/AOA0000/AOA0000CE26.pdf?src-supplier=Avnet, ComponentLink4URL=http://industrial.panasonic.com/www-data/pdf/AOA0000/AOA0000CE26.pdf?src-supplier=Avnet, ComponentLink5Description=http://uk.rs-online.com/webdocs/0eb1/0900766b80eb1d8c.pdf?src-supplier=RSComponents, ComponentLink5URL=http://uk.rs-online.com/webdocs/0eb1/0900766b80eb1d8c.pdf?src-supplier=RSComponents, ComponentLink6Description=https://produktinfo.conrad.com/datenblaetter/450000-474999/458752-da-01-en-WIDERSTAND_0805_ERA.pdf?src-supplier=Conrad, ComponentLink6URL=https://produktinfo.conrad.com/datenblaetter/450000-474999/458752-da-01-en-WIDERSTAND_0805_ERA.pdf?src-supplier=Conrad, Composition="Metal Film,Thin Film", Contact Plating=Tin, Depth=1.25mm, Features="Automotive AEC-Q200", Height=0.5mm, Lead Free="Lead Free", Length=2mm, Mount="Surface Mount", NCM=8533.21.20, Number of Pins=2, Number of Terminations=2, Packaging="Tape and Reel", Partnumber=ERA-6AEB4021V, Power Rating=125mW, Pricing 1="1=0.36, 10=0.302, 100=0.118, 1000=0.045, 5000=0.037, 10000=0.034 (USD)", Pricing 2="1=0.34, 10=0.288, 100=0.1126, 1000=0.04712, 2500=0.0432 (USD)", Radiation Hardening=No, REACH SVHC="No SVHC", Stock 1=541, Stock 2=9287, Supplier 1=Mouser, Supplier 2=Digi-Key, Supplier Part Number 2=P4.02KDACT-ND, Termination=Solder, Voltage Rating (DC)=100V, Width=1.25mm